# Allegro board PROC048A_BRD.brd (continued)
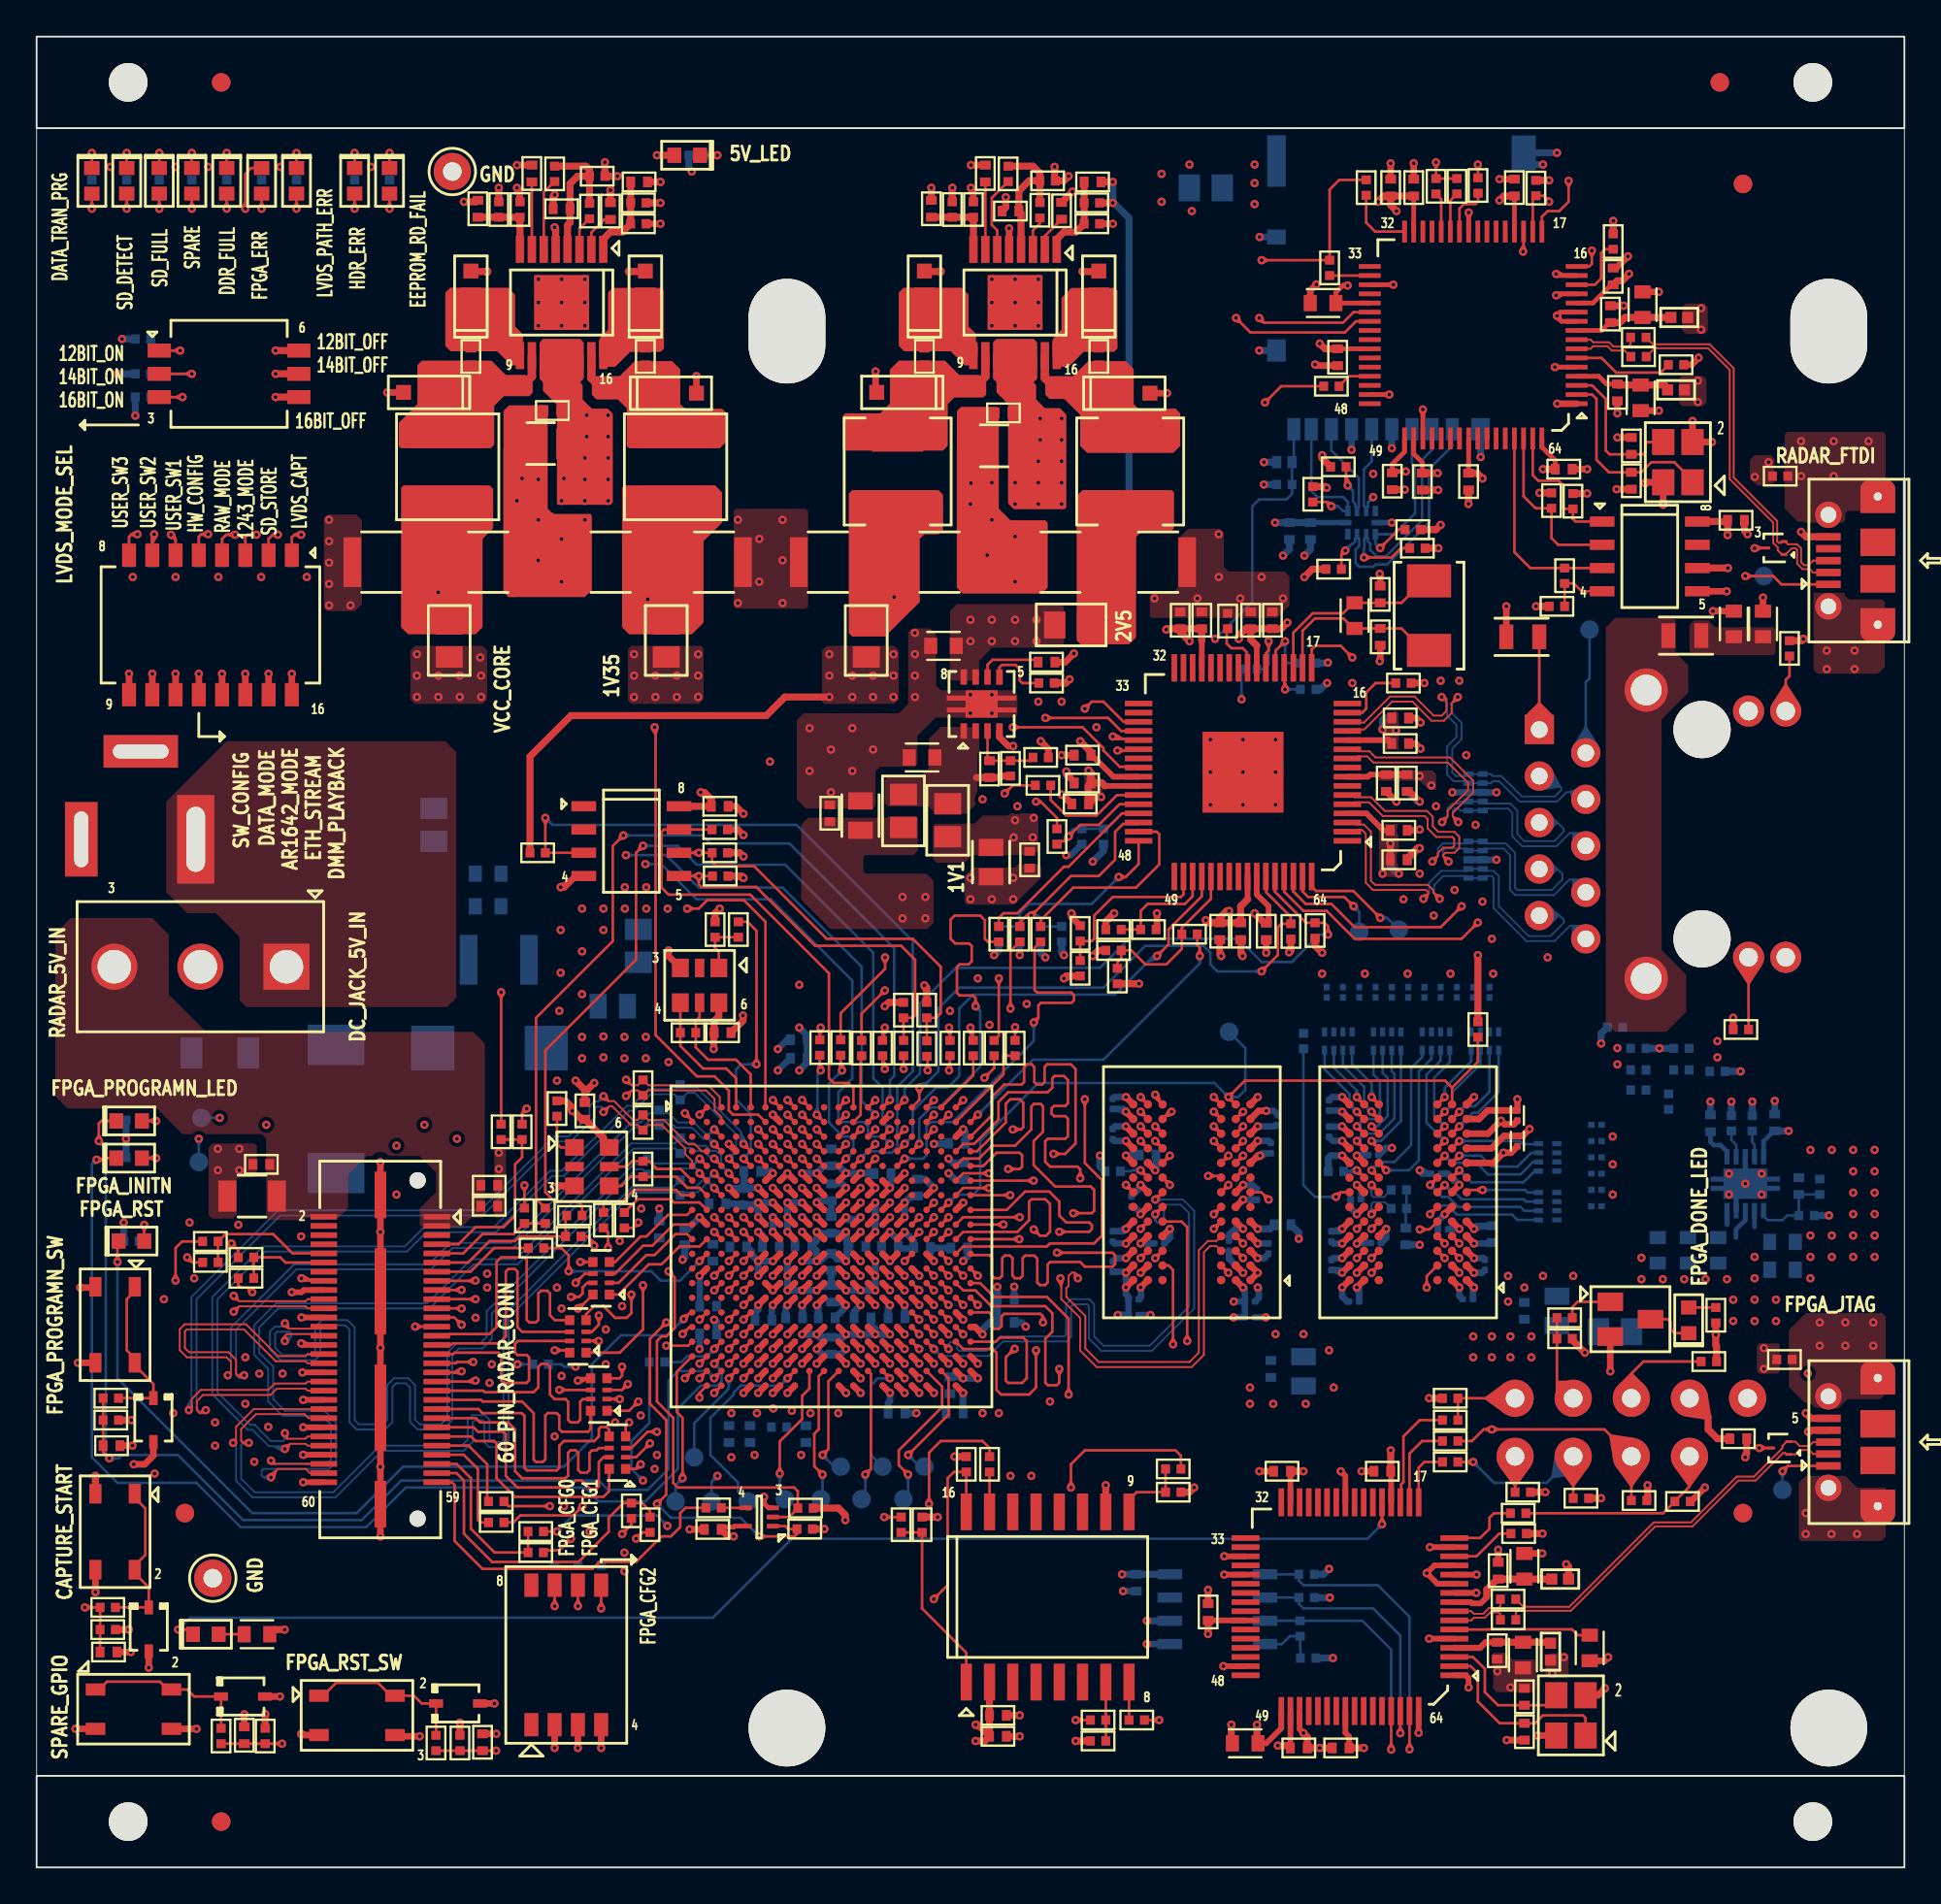
[diagram p0: board, top side]
## Routing (per net, layer and track width the routed paths; a pad name or vN(x,y) marks a point on that pad's centre or on a via; arc(x,y) is an arc through that point) (continued)
RF_CONN_SPI_MISO: length 115.5
  TOP w0.14: v1(82.6,90.98) 82.27,91.31 R7.2 81.7,91.14 U3.18 ; R96.1 11.01,31.8 11.14,31.67 11.52,31.67 v1(11.78,31.42)
  L08_SIG2 w0.107: v1(82.6,90.98) 82.34,90.72 81.53,90.72 81.41,90.85 81.41,93.26 80.9,93.77 73.75,93.77 66.01,86.03 51.66,86.03 43.66,78.02 38.07,78.02 27.27,67.23 27.27,56.56 21.18,50.47 21.18,42.08 11.78,32.69 v1(11.78,31.42)
RF_CONN_SPI_MOSI: length 112.7
  TOP w0.14: R101.1 30.07,34.46 30.45,34.08 v1(30.45,33.96) ; U3.17 82.2,90.16 82.52,90.47 83.15,90.47 83.66,90.98 v1(83.66,92.12)
  L08_SIG2 w0.107: v1(30.45,33.96) 28.54,33.96 25.75,36.75 25.75,39.92 25.24,40.43 25.24,46.27 28.42,49.45 35.53,49.45 37.81,51.74 37.81,67.36 51.53,81.07 82.17,81.07 82.42,81.33 82.42,83.87 82.14,84.15 82.14,87.64 83.06,88.57 83.06,91.52 v1(83.66,92.12)
RF_CONN_SPI_SCK: length 115.2
  TOP w0.14: v1(84.93,88.31) 84.93,87.59 84.79,87.45 U3.16 ; R91.1 v1(26.64,37.26)
  L08_SIG2 w0.107: v1(26.64,37.26) 26.64,40.56 26.26,40.94 26.26,43.73 29.69,47.16 36.8,47.16 39.54,49.91 39.54,66.93 51.28,78.66 83.79,78.66 84.42,79.29 84.42,83.1 84.68,83.36 87.34,83.36 87.47,83.49 87.47,84.12 87.33,84.26 83.9,84.26 83.53,84.63 83.53,91.23 83.66,91.36 84.8,91.36 84.93,91.23 v1(84.93,88.31)
RGMII_CLKOUT: length 36
  TOP w0.14: U12.A19 v1(50.6,41.91)
  L08_SIG2 w0.107: v1(50.6,41.91) 50.6,43.31 50.89,43.61 55.72,43.61 59.15,47.04 59.15,48.81 59.91,49.58 59.91,62.66 61.05,63.8 v1(65.8,63.8)
  BOTTOM w0.14: R182.1 v1(65.8,63.8)
RGMII_RXC: length 25.2
  TOP w0.14: v1(52.86,58.66) 53.31,59.1 R47.1 ; U12.D11 v1(44.2,39.51)
  L08_SIG2 w0.107: v1(44.2,39.51) 44.61,39.92 44.61,42.66 49.5,47.54 49.5,55.29 v1(52.86,58.66)
RGMII_RXCTL: length 17.8
  TOP w0.14: U12.B20 v1(51.4,41.11) ; v1(63.52,49.78) 63.52,50.23 63.38,50.37 R63.1
  BOTTOM w0.14: v1(63.52,49.78) 63.52,49.37 58.26,44.12 54.4,44.12 v1(51.4,41.11)
RGMII_RXD0: length 25.8
  TOP w0.14: R48.2 55.72,57.32 54.83,58.21 v1(54.58,58.21) ; U12.B17 v1(49,41.11)
  L08_SIG2 w0.107: v1(54.58,58.21) 53.94,57.58 53.94,56.86 53.84,56.75 51.47,56.75 49.88,55.16 49.88,47.42 49.12,46.66 49.12,45.19 49.01,45.09 48.08,45.09 47.97,44.98 47.97,44.77 48.08,44.66 49.01,44.66 49.12,44.55 49.12,42.97 48.62,42.48 48.62,41.49 v1(49,41.11)
RGMII_RXD1: length 20.9
  TOP w0.14: U12.D16 v1(48.2,39.51) ; R60.2 51.95,50.55 51.78,50.72 51.78,51.74 51.53,51.99 50.13,51.99 49.91,51.77 49.91,50.72 50.17,50.47 50.93,50.47 51.07,50.33 51.07,49.49 50.89,49.32 50.4,49.32 50.26,49.18 50.26,47.77 50.4,47.63 51.14,47.63 51.28,47.49 v1(51.28,47.04)
  BOTTOM w0.14: v1(48.2,39.51) 48.2,40.88 48.84,41.51 49.31,41.51 51.53,43.73 51.53,46.78 v1(51.28,47.04)
RGMII_RXD2: length 21.6
  TOP w0.14: v1(53.18,46.91) 53.18,50.05 R61.2 ; U12.A17 v1(49,41.91)
  L08_SIG2 w0.107: v1(53.18,46.91) 52.93,46.66 52.93,45.42 52.82,45.32 50.24,45.32 50.13,45.21 50.13,44.88 50.26,44.75 54.47,44.75 54.58,44.64 54.58,44.22 54.47,44.12 49.62,44.12 49.45,43.94 49.45,42.36 v1(49,41.91)
RGMII_RXD3: length 20.6
  TOP w0.14: U12.E15 v1(47.4,38.71) ; R62.2 54.5,50.22 54.5,47.92 54.64,47.78 56.51,47.78 56.65,47.64 56.65,47.36 56.51,47.22 54.84,47.22 54.7,47.08 54.7,46.4 v1(54.45,46.15)
  BOTTOM w0.14: v1(47.4,38.71) 48.41,38.71 48.6,38.9 48.6,40.47 48.84,40.71 50.03,40.71 54.45,45.13 v1(54.45,46.15)
RGMII_TXC: length 29.2
  TOP w0.14: R74.1 45.05,46.63 v1(46.32,47.9) ; U6.40 60.14,60.12 59.15,60.12 58.26,61.01 58.26,61.13 57.12,62.28 53.92,62.28 v1(53.31,62.28)
  L08_SIG2 w0.107: v1(53.31,62.28) 52.8,62.28 48.99,58.47 48.99,49.7 47.19,47.9 v1(46.32,47.9)
RGMII_TXCTL: length 26.9
  TOP w0.14: 63.63,54.12 63.63,53.04 61.82,51.23 61.82,50.42 v1(61.18,49.78) ; U12.D15 v1(47.4,39.51)
  BOTTOM w0.14: v1(61.18,49.78) 61,49.78 58.9,47.67 51.15,47.67 50.39,46.91 50.39,43.23 49.75,42.59 49.12,42.59 47.85,41.32 47.85,39.96 v1(47.4,39.51)
RGMII_TXD0: length 27.7
  TOP w0.14: U6.38 60.12,61.01 v1(59.02,61.01) ; v1(53.43,45.89) R80.1
  L08_SIG2 w0.107: v1(53.43,45.89) 54.58,47.04 55.2,47.04 55.37,46.87 55.37,45.37 55.48,45.26 55.69,45.26 55.8,45.37 55.8,46.87 55.9,46.97 56.12,46.97 56.22,46.87 56.22,45.37 56.33,45.26 56.54,45.26 56.65,45.37 56.65,46.87 56.76,46.97 57.44,46.97 58.26,47.8 58.26,54.15 59.28,55.16 59.28,60.75 v1(59.02,61.01)
RGMII_TXD1: length 29.4
  TOP w0.14: U6.37 60.11,61.64 58.9,61.64 v1(58.77,61.77) ; R78.1 51.15,45.72 v1(51,45.87)
  L08_SIG2 w0.107: v1(51,45.87) 51.91,46.78 51.91,47.29 52.16,47.54 53.29,47.54 53.4,47.65 53.4,48.2 53.5,48.31 53.72,48.31 53.82,48.2 53.82,47.78 53.93,47.67 54.14,47.67 54.25,47.78 54.25,48.2 54.36,48.31 54.57,48.31 54.68,48.2 54.68,47.57 54.83,47.42 56.74,47.42 56.99,47.67 56.99,60.12 56.48,60.63 56.48,61.9 57.37,62.78 58.01,62.78 58.77,62.02 v1(58.77,61.77)
RGMII_TXD2: length 27.9
  TOP w0.14: v1(55.09,62.78) 58.51,62.78 59.23,62.07 U6.36 ; R77.1 49.88,45.82 v1(49.83,45.87)
  L08_SIG2 w0.107: v1(55.09,62.78) 54.45,62.78 54.32,62.66 54.32,60.67 54.22,60.56 53.54,60.56 53.43,60.46 53.43,60.24 53.54,60.14 54.22,60.14 54.32,60.03 54.32,59.61 55.09,58.85 55.09,53.77 50.51,49.2 50.51,46.27 50.11,45.87 v1(49.83,45.87)
RGMII_TXD3: length 27.4
  TOP w0.14: v1(52.55,48.56) 52.55,45.42 R79.1 ; U6.35 59.36,62.57 58.26,63.67 57.63,63.67 v1(57.24,63.29)
  L08_SIG2 w0.107: v1(52.55,48.56) 52.55,48.81 52.74,49.01 55.28,49.01 55.59,49.32 55.59,50.66 55.36,50.89 54.81,50.89 54.7,51 54.7,51.21 54.81,51.32 55.36,51.32 55.47,51.43 55.47,62.53 56.48,63.55 56.99,63.55 v1(57.24,63.29)
RS232RX: length 9.7
  TOP w0.14: J3.55 22.94,22.04 23.72,21.26 23.72,18.49 25.01,17.2 R146.2 R142.2
RS232TX: length 17.6
  TOP w0.14: J3.57 22.93,21.54 23.34,21.13 23.34,18.22 24.87,16.68 29.59,16.68 31.24,18.33 31.24,19.1 32.04,19.9 R138.2 33.08,19.9 33.5,19.48 R139.2
SCL: length 6
  TOP w0.14: R141.2 24.24,18.84 24.1,18.98 24.1,21.76 23.33,22.54 J3.53
SD_CD: length 65.1
  TOP w0.14: U12.C15 v1(47.4,40.31)
  L08_SIG2 w0.107: v1(64.36,67.1) 63.08,65.83 46.57,65.83 46.11,65.37 46.11,60.42 45.56,59.86 45.56,44.11 43.82,42.37 43.82,39.25 43.94,39.13 46.04,39.13 46.2,39.29 46.2,39.8 46.32,39.92 47.01,39.92 v1(47.4,40.31)
  BOTTOM w0.14: v1(64.36,67.1) 66.39,69.13 66.39,74.34 66.77,74.72 68.25,74.72 68.56,75.03 R172.2 D15.1 68.66,76.85 J5.9
SD_CLK: length 68.1
  TOP w0.14: R72.2 42.77,45.82 v1(42.82,45.87)
  L08_SIG2 w0.107: v1(72.99,74.85) 65.63,74.85 63.59,76.88 62.07,76.88 61.56,76.37 61.56,74.21 61.31,73.96 58.9,73.96 58.64,74.21 58.64,76.37 58.39,76.63 57.75,76.63 56.03,74.9 49.17,74.9 42.82,68.55 v1(42.82,45.87)
  BOTTOM w0.14: J5.5 72.91,76.8 72.49,76.38 72.49,74.34 72.61,74.22 72.61,74.21 ; 72.61,74.21 U16.3 ; 72.61,74.21 72.71,74.31 72.71,74.56 v1(72.99,74.85)
SD_CMD: length 73.5
  TOP w0.14: U12.E9 v1(41.8,38.71) ; v1(73.37,72.06) 74.38,73.07 R32.2
  L08_SIG2 w0.107: v1(73.37,72.06) 74.26,72.06 74.52,71.8 74.52,69.77 73.4,68.66 48.26,68.66 45.2,65.6 45.2,44.21 43.5,42.5 43.5,39.87 42.76,39.13 42.22,39.13 v1(41.8,38.71)
  BOTTOM w0.14: J5.3 75.11,76.67 75.28,76.5 75.28,73.96 74.14,72.82 U16.6 73.11,72.32 v1(73.37,72.06)
SD_DAT0: length 73.1
  TOP w0.14: R28.2 71.51,75.57 v1(71.6,75.48) ; U12.D9 v1(41.8,39.51)
  L08_SIG2 w0.107: v1(41.8,39.51) 41.38,39.93 41.38,42.71 40.92,43.17 40.92,67.54 50.62,77.24 60.4,77.24 60.93,77.77 70.33,77.77 71.6,76.5 v1(71.6,75.48)
  BOTTOM w0.14: 72.11,74.24 U16.2 ; 72.11,74.24 72.01,74.34 72.01,74.48 71.89,74.6 71.89,75.19 v1(71.6,75.48) ; 72.11,74.24 72.11,74.24 72.21,74.34 72.21,75.89 70.71,77.39 J5.7
SD_DAT1: length 73
  TOP w0.14: v1(70.71,74.34) 70.47,74.58 R29.2 ; U12.C10 v1(42.6,40.31)
  L08_SIG2 w0.107: v1(42.6,40.31) 43.15,40.86 43.15,43.32 44.98,45.15 44.98,65.89 47.97,68.88 69.58,68.88 69.68,68.99 69.68,69.41 69.79,69.52 70,69.52 70.11,69.41 70.11,68.99 70.22,68.88 71.09,68.88 72.48,70.28 72.48,70.79 72.93,71.24 72.93,72.51 73.57,73.15 73.57,74.14 73.37,74.34 v1(70.71,74.34)
  BOTTOM w0.14: v1(70.71,74.34) 71.09,74.34 71.34,74.09 U16.1 71.61,74.58 71.34,74.85 69.94,74.85 69.61,75.19 J5.8
SD_DAT2: length 72.8
  TOP w0.14: U12.A9 v1(41.8,41.91) ; v1(71.47,71.93) 71.25,71.71 R34.2
  L08_SIG2 w0.107: v1(41.8,41.91) 42.06,42.17 42.06,44.17 43.81,45.92 43.81,68.53 47.52,72.24 69.86,72.24 69.96,72.34 69.96,72.71 70.07,72.82 70.28,72.82 70.39,72.71 70.39,72.34 70.5,72.24 71.16,72.24 v1(71.47,71.93)
  BOTTOM w0.14: J5.1 77.31,77.64 76.04,76.37 76.04,73.45 73.75,71.17 73.12,71.17 72.99,71.04 72.23,71.04 72.03,71.24 72.03,71.98 72.23,72.18 72.23,72.56 72.11,72.69 72.11,72.69 ; v1(71.47,71.93) 71.82,72.28 71.86,72.28 72.01,72.42 72.01,72.6 72.11,72.69 ; 72.11,72.69 U16.8
SD_DAT3: length 74.5
  TOP w0.14: v1(72.48,71.55) 73.99,71.55 74.5,72.06 R33.2 ; U12.B9 v1(41.8,41.11)
  L08_SIG2 w0.107: v1(72.48,71.55) 72.1,71.55 71.6,71.04 71.06,71.04 70.95,70.93 70.95,69.88 70.84,69.77 70.63,69.77 70.52,69.88 70.52,70.93 70.42,71.04 46.96,71.04 44.03,68.11 44.03,45.51 42.38,43.86 42.38,41.69 v1(41.8,41.11)
  BOTTOM w0.14: v1(72.48,71.55) 72.48,72.04 72.51,72.06 72.51,72.59 72.61,72.69 ; 72.61,72.69 72.71,72.59 72.71,72.42 72.83,72.3 72.83,71.96 73.18,71.61 73.69,71.61 75.66,73.58 75.66,76.88 76.21,77.43 J5.2 ; 72.61,72.69 U16.7
SD_DETECT_LED5: length 80.9
  TOP w0.14: U12.D6 v1(39.4,39.51) ; LD2.1 v1(4.92,93.65)
  L03_SIG1 w0.107: v1(4.92,93.65) 4.92,91.23 3.4,89.71 3.4,70.28 5.81,67.86 13.05,67.86 23.08,57.83 32.61,57.83 34.95,55.49 34.95,44.16 38.82,40.29 38.82,40.1 v1(39.4,39.51)
SD_FULL_LED0: length 78.5
  TOP w0.14: LD3.1 v1(6.7,93.65) ; U12.C9 v1(41.8,40.31)
  L03_SIG1 w0.107: v1(6.7,93.65) 6.7,91.23 25.88,72.06 41.12,72.06 41.75,71.42 41.75,59.48 42.22,59.01 42.22,40.73 v1(41.8,40.31)
SD_STORE: length 54.5
  TOP w0.14: U12.C7 v1(40.2,40.31) ; v1(13.18,72.79) 12.9,72.79 12.67,72.56 SW2.2
  L03_SIG1 w0.107: v1(13.18,72.79) 13.71,73.33 14.83,73.33 15.46,72.69 15.46,68.5 24.22,59.74 34.38,59.74 37.81,56.31 37.81,42.96 40.17,40.61 40.17,40.35 v1(40.2,40.31)
  BOTTOM w0.14: R174.2 12.67,72.56 12.9,72.79 v1(13.18,72.79)
SDA: length 5.2
  TOP w0.14: J3.51 23.59,23.04 24.61,22.02 24.61,20.06 R136.2
SPARE_GPIO_SW: length 46.4
  TOP w0.14: v1(13.41,6.76) R160.2 C95.2 R159.1 ; U12.T1 35.66,29.51 v1(35.27,29.13)
  L08_SIG2 w0.107: v1(13.41,6.76) 13.81,7.16 13.81,11.35 15.59,13.13 32.35,13.13 33.88,14.65 33.88,18.97 32.48,20.37 32.48,23.03 34.13,24.68 34.13,27.48 35.27,28.62 v1(35.27,29.13)
SPARE_LED8: length 83.1
  TOP w0.14: U12.E7 v1(40.2,38.71) ; LD4.1 v1(8.48,93.65)
  L03_SIG1 w0.107: v1(8.48,93.65) 8.48,92.76 9.75,91.49 9.75,89.2 25.81,73.14 41.81,73.14 42.76,72.19 42.76,46.66 43.25,46.17 43.25,42.6 43.04,42.39 43.04,40.22 42.76,39.93 42.48,39.93 42.22,39.67 42.22,38.59 41.96,38.33 40.58,38.33 v1(40.2,38.71)
SPI_CS_N: length 38.9
  TOP w0.14: R156.1 v1(56.74,8.05) ; U12.R2 v1(36.2,29.91)
  L08_SIG2 w0.107: v1(36.2,29.91) 36.2,29.04 34.51,27.35 34.51,20.49 38.19,16.81 47.97,16.81 v1(56.74,8.05)
SPI_HOLD_N: length 18.3
  TOP w0.14: R148.1 v1(46.28,19.14) ; U12.W1 v1(35.4,26.71)
  L08_SIG2 w0.107: v1(35.4,26.71) 35.4,22.02 37.94,19.48 45.94,19.48 v1(46.28,19.14)
SPI_MISO: length 41.1
  TOP w0.14: U12.V2 v1(36.2,27.51) ; R157.1 v1(61.31,8.05)
  L08_SIG2 w0.107: v1(36.2,27.51) 35.18,27.51 34.89,27.22 34.89,21.64 34.77,21.51 34.77,20.75 38.45,17.06 48.35,17.06 57.37,8.05 v1(61.31,8.05)
SPI_MOSI: length 26.4
  TOP w0.14: U12.W2 v1(36.2,26.71) ; R126.1 52.04,22.91 51.66,23.29 49.37,23.29 48.74,22.65 v1(48.74,19.86)
  L08_SIG2 w0.107: v1(48.74,19.86) 48.61,19.73 38.07,19.73 35.78,22.02 35.78,26.29 v1(36.2,26.71)
SPI_SCK: length 37.4
  TOP w0.14: v1(48.99,14.65) 49.75,15.41 49.75,21.26 50.09,21.6 R125.2 U14.16
  L08_SIG2 w0.107: v1(33.11,21.13) 33.24,21.13 35.15,19.22 35.15,16.81 37.31,14.65 v1(48.99,14.65)
  BOTTOM w0.14: R213.1 33.46,24.26 32.48,23.29 32.48,21.76 v1(33.11,21.13)
SPI_WP_N: length 33.4
  TOP w0.14: U12.Y2 36.2,25.91 v1(36.2,25.66) ; v1(56.48,20.75) 56.48,22.02 57.24,22.78 62.2,22.78 62.49,22.49 R127.1
  L08_SIG2 w0.107: v1(56.48,20.75) 56.18,20.44 40.28,20.44 39.72,21 38.19,21 36.2,22.99 v1(36.2,25.66)
SYS_CLK100_N: length 5.1
  TOP w0.14: U12.F1 35.17,38.15 33.88,38.15 33.46,38.57 R88.2 32.52,38.57 32.23,38.27 U9.5
SYS_CLK100_P: length 6
  TOP w0.14: U12.G2 36.2,37.12 35.54,37.12 34.93,37.73 R88.1 32.44,37.73 31.94,37.22 U9.4
USB1_CS: length 18.4
  TOP w0.14: U15.63 v1(74.97,6.45)
  BOTTOM w0.14: U20.1 R218.2 68.93,15.66 69.18,15.41 73.25,15.41 74.97,13.69 v1(74.97,6.45)
USB1_DI: length 15.1
  TOP w0.14: U15.61 v1(73.97,6.43)
  BOTTOM w0.14: U20.3 R220.2 72.4,13.47 73.97,11.89 v1(73.97,6.43)
USB1_DO: length 3.3
  BOTTOM w0.14: U20.4 68,12.2 68.43,12.63 R220.1 69,11.95 69.02,11.94 R221.2
USB1_SCK: length 15
  TOP w0.14: U15.62 v1(74.47,7.33)
  BOTTOM w0.14: v1(74.47,7.33) 74.47,12.66 72.99,14.14 69.18,14.14 68.94,14.39 R219.2 U20.2
USB2_CS: length 7.9
  TOP w0.14: U4.1 84.04,73.51 83.9,73.65 R31.2 83.4,74.2 83.28,74.32 83.28,75.58 83.12,75.74 82.01,75.74 81.7,76.04 U3.63
USB2_DI: length 11.4
  TOP w0.14: U3.61 80.7,71.84 81.57,70.97 R35.2 U4.3
USB2_DO: length 3.5
  TOP w0.14: U4.4 84.38,69.7 83.95,70.13 R35.1 R37.2
USB2_SCK: length 9.5
  TOP w0.14: U3.62 81.2,74.89 81.86,74.24 R30.2 82.73,72.61 83.09,72.24 U4.2
USER_SW1: length 60.6
  TOP w0.14: SW2.6 7.59,72.54 v1(7.33,72.79) ; U12.B8 v1(41,41.11)
  L03_SIG1 w0.107: v1(41,41.11) 41,41.37 40.62,41.75 40.62,41.76 40.6,41.77 40.6,42.65 39.75,43.5 39.75,58.31 37.11,60.95 32.29,60.95 18.13,75.1 9.65,75.1 v1(7.33,72.79)
  BOTTOM w0.14: v1(7.33,72.79) 7.59,72.54 R178.2
USER_SW2: length 61.7
  TOP w0.14: U12.A8 v1(41,41.91) ; v1(6.42,72.82) 6.32,72.72 SW2.7
  L03_SIG1 w0.107: v1(41,41.91) 41,42.35 40.94,42.41 40.94,43.61 40.05,44.5 40.05,58.9 37.56,61.39 32.73,61.39 18.38,75.74 9.34,75.74 v1(6.42,72.82)
  BOTTOM w0.14: R179.2 6.32,72.72 v1(6.42,72.82)
USER_SW3: length 66.9
  TOP w0.14: v1(5.51,72.82) 5.19,72.82 5.05,72.68 SW2.8 ; U12.D8 v1(41,39.51)
  L03_SIG1 w0.107: v1(5.51,72.82) 9.06,76.37 18.51,76.37 33.11,61.77 37.81,61.77 41.12,58.47 41.12,43.98 41.26,43.84 41.26,42.7 41.38,42.58 41.38,39.89 v1(41,39.51)
  BOTTOM w0.14: v1(5.51,72.82) 5.19,72.82 5.05,72.68 R180.2
N35954: length 5.1
  TOP w0.14: R42.2 J6.1
N35962: length 3.9
  TOP w0.14: R70.2 J6.11
N36046: length 3.1
  TOP w0.14: R40.2 95.73,65.07 95.52,64.87 95.52,63.16 J6.14
N40882: length 10.5
  TOP w0.14: U6.19 68.63,67.44 69.69,68.5 71.34,68.5 71.91,69.07 R38.1 C44.1 74.54,69.07 75.74,70.27 Y2.1
N40902: length 9.9
  TOP w0.14: U6.18 69.13,67.54 69.81,68.22 71.37,68.22 71.91,67.67 R38.2 C51.1 74.54,67.67 75.74,66.47 Y2.2
N41020: length 3.5
  TOP w0.14: v1(67.28,66.98) 67.28,66.47 67.15,66.34 67.15,65.54 U6.22
  BOTTOM w0.14: v1(67.28,66.98) 67.28,65.71 67.02,65.45 R182.2
N41650: length 24.7
  TOP w0.14: v1(71.85,66.09) 71.21,66.72 69.83,66.72 69.63,66.52 U6.17 ; v1(73.37,51.86) 71.9,53.33 69.87,53.33 69.63,53.57 U6.64
  L08_SIG2 w0.107: v1(73.37,51.86) 72.74,52.5 72.74,65.2 v1(71.85,66.09)
  BOTTOM w0.14: v1(73.37,51.86) 73.75,51.86 TP11.1
N44878: length 3.8
  TOP w0.14: R44.1 73.12,64.69 72.61,64.18 72.61,63.29 72.39,63.07 U6.15
N70149: length 7.5
  TOP w0.14: U15.6 79.21,12.99 79.22,13 83.85,13 84.17,12.68 R155.1
N70296: length 3.6
  TOP w0.14: R145.2 79.88,18.23 78.63,16.99 U15.14
N76086: length 4
  TOP w0.14: U15.16 78.83,17.99 79.34,18.5 79.34,19.1 79.59,19.34 R140.1
N76092: length 3.3
  TOP w0.14: U15.17 75.47,21.83 75.79,22.14 R124.1
N76288: length 4.7
  TOP w0.14: U15.18 74.97,22.6 75.66,23.29 R121.1
N76294: length 6.2
  TOP w0.14: U15.19 74.52,19.99 74.52,20.92 74.64,21.05 74.64,23.54 75.53,24.43 R118.1
N77950: length 1.4
  TOP w0.14: LD15.2 R154.2
N12057923: length 2.1
  BOTTOM w0.14: C163.1 74.77,35.95 R210.2 R209.2
N12082124: length 3.6
  TOP w0.14: U12.U3 v1(37,28.31)
  BOTTOM w0.14: R213.2 35.22,27.61 35.53,27.92 36.6,27.92 v1(37,28.31)
N12141516: length 5.5
  TOP w0.14: R25.2 89.11,82.06 88.69,81.65 86.26,81.65 85.46,82.45 U3.6
N12141647: length 3.6
  TOP w0.14: R20.2 85.64,88.39 85.44,88.18 85.44,86.79 85.1,86.45 U3.14
N12198012: length 3
  TOP w0.14: R54.2 R53.2 37.05,50.21 37.25,50.01 U8.1
N12285548: length 5.5
  TOP w0.14: J3.13 23.69,32.54 24.99,33.83 R98.2
N12367018: length 6.2
  TOP w0.14: U12.W11 43.24,26.55 43.24,22.84 v1(42.92,22.53)
  BOTTOM w0.14: v1(42.92,22.53) 43.55,21.89 TP17.1
N12367024: length 7.4
  TOP w0.14: U12.W10 42.71,26.82 42.71,23.92 42.47,23.68 42.47,21.91 v1(42.92,21.46)
  BOTTOM w0.14: TP20.1 42.83,20.18 42.92,20.27 v1(42.92,21.46)
N12367080: length 5.7
  TOP w0.14: U12.W4 v1(37.8,26.71)
  BOTTOM w0.14: v1(37.8,26.71) 37.8,26.18 37.71,26.09 37.71,26.06 35.91,24.26 TP14.1
N12367084: length 8
  TOP w0.14: U12.W5 v1(38.6,26.71)
  L03_SIG1 w0.107: v1(37.18,21.38) 37.18,25.03 38.6,26.45 v1(38.6,26.71)
  BOTTOM w0.14: v1(37.18,21.38) 36.86,21.07 TP23.1
N12367136: length 11.1
  TOP w0.14: U12.W8 v1(41,26.71)
  BOTTOM w0.14: TP22.1 38.3,20.52 38.3,21.03 36.8,22.53 36.8,24.56 38.07,25.83 38.07,25.94 38.44,26.31 38.48,26.31 38.49,26.32 40.6,26.32 v1(41,26.71)
N12367140: length 7.8
  TOP w0.14: v1(40.58,21.51) 40.58,23.26 41.81,24.49 41.81,25.76 42.2,26.15 U12.W9
  BOTTOM w0.14: v1(40.58,21.51) 40.58,20.39 TP21.1
N12367168: length 7.3
  TOP w0.14: U12.W13 45.56,26.96 45.56,21.76 v1(45.26,21.46)
  BOTTOM w0.14: TP19.1 45.26,20.32 v1(45.26,21.46)
N12367248: length 6.5
  TOP w0.14: U12.W14 v1(46.6,26.71)
  BOTTOM w0.14: TP16.1 45.56,22.53 45.56,26.34 45.94,26.71 v1(46.6,26.71)
N12367252: length 8.6
  TOP w0.14: v1(47.59,21.46) 47.08,21.97 47.08,22.78 49.45,25.14 49.45,26.27 U12.W17
  BOTTOM w0.14: TP18.1 47.59,20.37 v1(47.59,21.46)
N12367256: length 6.8
  TOP w0.14: U12.W18 49.8,26.71 49.8,24.74 v1(47.59,22.53)
  BOTTOM w0.14: TP15.1 48.23,21.89 v1(47.59,22.53)
N12556752: length 3.8
  TOP w0.14: R6.2 72.61,89.84 73.1,89.35 U3.32
N12556756: length 2.2
  TOP w0.14: U3.34 R22.2
N12556864: length 2.2
  TOP w0.14: R5.2 77.2,91.05 U3.27
N12556868: length 2.2
  TOP w0.14: R4.2 76.7,91.12 U3.28
N12563455: length 1.9
  TOP w0.14: U3.45 71.66,81.45 71.13,80.92 R26.2
N15277458: length 3.5
  TOP w0.14: R43.2 53.83,64.69 53.69,64.83 53.69,65.45 53.46,65.68 52.72,65.68 52.58,65.54 U5.5
N15277487: length 3.6
  TOP w0.14: U5.6 51.93,65.69 52.2,65.96 54.56,65.96 C53.1
N15279182: length 4.1
  TOP w0.14: U5.3 51.93,60.56 C58.2 R45.2 54.24,60.45 R46.1
N15280631: length 8.7
  TOP w0.381: R16.1 R1.1 ; R1.1 29.55,92.38 29.13,91.96 C2.1 29.13,89.84 28.99,89.71 U1.4 ; R1.1 30.19,92.73 30,92.92 R8.1
N15281998: length 1.9
  TOP w0.14: U1.3 29.64,89.51 30.18,90.05 R16.2
N15282067: length 4
  TOP w0.14: U1.6 27.69,91.5 28.28,92.08 R8.2
N15282531: length 2.3
  TOP w0.14: U1.2 30.29,89.3 31,90.01 C12.1
N15282538: length 3.7
  TOP w0.14: U1.7 C1.1
N15283211: length 0.9
  TOP w0.457: U1.9 26.4,82.97 26,83.36
N15283215: length 1.1
  TOP w0.457: 31.21,83.61 30.94,83.35 U1.16
N15294700: length 1.1
  TOP w0.457: U2.16 55.71,83.35 55.97,83.61
N15294712: length 0.9
  TOP w0.457: 50.77,83.36 51.16,82.97 U2.9
N15294756: length 8.1
  TOP w0.381: R2.1 54.2,92.12 53.64,91.57 C4.1 53.76,90.35 U2.4 ; R2.1 54.79,92.54 54.41,92.92 R9.1 ; R2.1 54.79,92.12 R17.1
N15294840: length 1.9
  TOP w0.14: R17.2 54.79,89.79 54.41,89.41 U2.3
N15294864: length 4.2
  TOP w0.14: R9.2 52.16,91.19 52.16,89.71 52.46,89.41 U2.6
N15294982: length 2
  TOP w0.14: C13.1 55.06,89.11 U2.2
N15294990: length 3.7
  TOP w0.14: U2.7 C3.1
N15331843: length 4.7
  BOTTOM w0.14: U19.1 94.31,35.59 94.55,35.35 95.34,35.35 95.6,35.61 R211.2 C148.2 R207.1
N15331979: length 1.5
  BOTTOM w0.14: R202.2 92.55,39.74 92.81,39.47 U19.7
N15358263: length 2.5
  TOP w0.14: R83.2 28.42,39.54 28.64,39.32 U9.1
N15366217: length 1.6
  TOP w0.14: LD11.2 v1(6.53,40.77)
  BOTTOM w0.14: v1(6.53,40.77) 6.49,40.81 R87.2
N15366273: length 1.9
  TOP w0.14: LD13.2 v1(5.87,35.1)
  BOTTOM w0.14: R93.2 5.87,34.49 v1(5.87,35.1)
N15366361: length 1.5
  TOP w0.14: LD14.2 R103.2
N15366449: length 2.6
  TOP w0.14: Q1.3 89.07,29.94 89.25,29.76 89.25,29.38 89.45,29.18 LD14.1
N15366479: length 2.8
  TOP w0.14: Q1.1 84.15,30.89 83.87,30.6 R104.1
N15371882: length 8.8
  TOP w0.14: SW5.1 5.36,20.18 5.94,19.6 5.94,17.06 5.36,16.49 SW5.2 5.36,16.06 6.12,15.29 D12.1 R151.2
N15373103: length 8.9
  TOP w0.14: SW7.1 15.65,9.38 16.35,10.08 18.64,10.08 19.34,9.38 SW7.2 20.61,9.38 21.03,8.95 D14.1 R161.2
N15375282: length 9.1
  TOP w0.14: R159.2 D13.1 8.6,9.34 8.22,9.72 SW6.2 7.16,9.72 6.73,10.14 3.84,10.14 3.41,9.72 SW6.1
N15376242: length 8.8
  TOP w0.14: R114.2 D10.1 6.38,26.4 5.36,27.42 SW4.2 5.36,27.8 4.92,28.24 4.92,31.03 5.36,31.47 SW4.1
N15385918:
  vias: v1(96.61,19.35) v1(96.61,18.21) v1(97.38,29.76) v1(97.38,28.49) v1(98.01,18.21) v1(98.77,29.76) v1(98.77,28.49) v1(99.41,18.21) v1(100.3,29.76) v1(100.3,28.49)
N15385952: length 3.6
  TOP w0.14: v1(95.34,21.64) 95.64,21.93 J4.1
  BOTTOM w0.14: TP30.1 v1(95.34,21.64)
N15394436: length 5.7
  TOP w0.14: v1(93.31,70.53) 94.84,70.53 95.29,70.08 J1.1
  BOTTOM w0.14: TP31.1 v1(93.31,70.53)
N15394548:
  vias: v1(96.36,77.9) v1(96.36,75.99) v1(97.76,66.47) v1(97.76,65.45) v1(98.14,77.9) v1(98.14,75.99) v1(99.28,66.47) v1(99.28,65.45) v1(100.04,77.9)
N15403136: length 1.3
  TOP w0.14: U13.4 R143.1
N15568992: length 1.3
  TOP w0.14: U11.H8 v1(72.1,38.08)
  BOTTOM w0.14: v1(72.1,38.08) 72.04,38.02 R205.1
N15578317: length 1.7
  TOP w0.14: U10.H8 v1(60.29,38.08)
  BOTTOM w0.14: R206.1 59.78,38.02 59.84,38.08 v1(60.29,38.08)
N15683813: length 6.8
  BOTTOM w0.14: TP10.1 84.8,64.94 84.6,64.74 J6.2
N15696938: length 2.9
  TOP w0.14: U3.26 77.7,90.61 77.95,90.85 78.58,90.85 78.72,90.99 R3.2
N15697022: length 5.2
  TOP w0.14: U12.C13 v1(45.8,40.31) ; R76.2 v1(47.35,43.61)
  L08_SIG2 w0.107: v1(47.35,43.61) 47.35,43.23 46.2,42.08 46.2,40.94 45.8,40.55 v1(45.8,40.31)
N15697026: length 8.6
  TOP w0.14: U12.D13 v1(45.8,39.51) ; v1(48.66,43.53) 48.66,44.26 R81.2
  L08_SIG2 w0.107: v1(45.8,39.51) 45.41,39.91 45.41,42.19 46.45,43.23 46.58,43.23 46.83,43.48 46.83,43.73 47.21,44.12 48.08,44.12 v1(48.66,43.53)
N15801768: length 7.4
  TOP w0.14: U12.E11 v1(44.2,38.71) ; R73.2 43.91,43.61 v1(43.99,43.53)
  BOTTOM w0.14: v1(43.99,43.53) 43.27,42.82 43.27,40.68 44.04,39.92 44.36,39.92 44.6,39.68 44.6,39.11 v1(44.2,38.71)
N15802042: length 5.3
  TOP w0.14: U12.B19 52.8,43.31 52.8,44.24 52.89,44.33 R80.2
N15802046: length 3.5
  TOP w0.14: U12.A18 51.15,43.26 R78.2
N15802050: length 4.9
  TOP w0.14: R77.2 49.88,43.58 v1(49.83,43.53) ; U12.C17 v1(49,40.31)
  L08_SIG2 w0.107: v1(49,40.31) 49.38,40.69 49.38,41.58 49.83,42.02 v1(49.83,43.53)
N15802054: length 5.5
  TOP w0.14: v1(51.76,43.13) 52.29,43.66 R79.2 ; U12.B18 v1(49.8,41.11)
  L08_SIG2 w0.107: v1(49.8,41.11) 49.88,41.19 50.51,41.19 51.15,41.83 51.15,43.02 51.26,43.13 v1(51.76,43.13)
N15802227: length 3.8
  TOP w0.14: U12.B12 45,41.11 45,44.28 R74.2
N15802298: length 5.2
  TOP w0.14: R75.2 46.2,43.73 v1(46.32,43.61) ; U12.C12 v1(45,40.31)
  L08_SIG2 w0.107: v1(45,40.31) 45,42.29 v1(46.32,43.61)
N15837314: length 1.6
  TOP w0.14: LD12.2 v1(6.53,38.74)
  BOTTOM w0.14: R89.2 6.49,38.78 v1(6.53,38.74)
N15837897: length 3.9
  TOP w0.14: R72.1 42.77,43.58 v1(42.82,43.53) ; U12.B10 v1(42.6,41.11)
  BOTTOM w0.14: v1(42.82,43.53) 42.64,43.35 42.64,41.15 v1(42.6,41.11)
N15863331: length 1.5
  TOP w0.14: v1(6.7,90.6) LD3.2
  BOTTOM w0.14: R169.1 v1(6.7,90.6)
N15864243: length 1.5
  TOP w0.14: LD1.2 v1(3.02,90.6)
  BOTTOM w0.14: R171.1 v1(3.02,90.6)
N15865404: length 1.5
  TOP w0.14: LD5.2 v1(12.29,90.6)
  BOTTOM w0.14: R167.1 v1(12.29,90.6)
N15865498: length 1.5
  TOP w0.14: v1(14.19,90.6) LD7.2
  BOTTOM w0.14: R165.1 v1(14.19,90.6)
N15865593: length 1.5
  TOP w0.14: LD8.2 v1(17.37,90.6)
  BOTTOM w0.14: R164.1 v1(17.37,90.6)
N15870131: length 1.5
  TOP w0.14: v1(4.92,90.6) LD2.2
  BOTTOM w0.14: R170.1 v1(4.92,90.6)
N15870370: length 1.5
  TOP w0.14: v1(19.27,90.6) LD9.2
  BOTTOM w0.14: R163.1 v1(19.27,90.6)
N15870464: length 1.5
  TOP w0.14: LD6.2 v1(10.38,90.6)
  BOTTOM w0.14: R166.1 v1(10.38,90.6)
N15870575: length 1.5
  TOP w0.14: LD4.2 v1(8.48,90.6)
  BOTTOM w0.14: R168.1 v1(8.48,90.6)
N16168033: length 33.1
  TOP w0.14: U12.A2 v1(36.2,41.11)
  L03_SIG1 w0.107: v1(10,40.94) 15.08,46.02 33.37,46.02 33.75,45.64 33.75,43.57 v1(36.2,41.11)
  BOTTOM w0.14: TP27.1 v1(10,40.94)
N16168037: length 32.3
  TOP w0.14: v1(35.4,41.19) 35.8,40.79 U12.B1
  L03_SIG1 w0.107: v1(35.4,41.19) 32.73,43.86 32.73,44.24 32.1,44.88 15.84,44.88 11.27,40.31 9.37,40.31 v1(8.86,39.8)
  BOTTOM w0.14: v1(8.86,39.8) TP28.1
N16178955: length 8.6
  TOP w0.14: v1(35.27,21.26) 35.27,24.56 34.96,24.87 34.96,27.07 U12.V1
  BOTTOM w0.14: TP29.1 34.89,20.87 v1(35.27,21.26)
N16278938: length 1.7
  TOP w0.14: LD10.1 v1(37.18,93.52)
  BOTTOM w0.14: R21.1 v1(37.18,93.52)
N16403293: length 3.2
  TOP w0.14: R158.2 R156.2 U14.7
N16403351: length 10.3
  TOP w0.14: U14.1 50.77,11.73 48.35,14.14 R149.2 R148.2
N16403393: length 4.1
  TOP w0.14: U14.9 59.66,20.08 60.07,20.49 R131.2 R127.2
N16403481: length 2.2
  TOP w0.14: R126.2 U14.15
N16403515: length 2.1
  TOP w0.14: U14.8 R157.2

## Copper pours and planes (outline as drawn; the poured copper is in the pictures)
1V1 on TOP: 57.3,60.15 57.55,60.15 58.22,59.49 58.22,59.37 58.22,59.37 58.22,58.75 58.26,58.7 58.26,58.23 57.92,57.89 57.24,57.89 57.19,57.94 57.19,60.04
